# KiCad board handheld.kicad_pcb (continued)
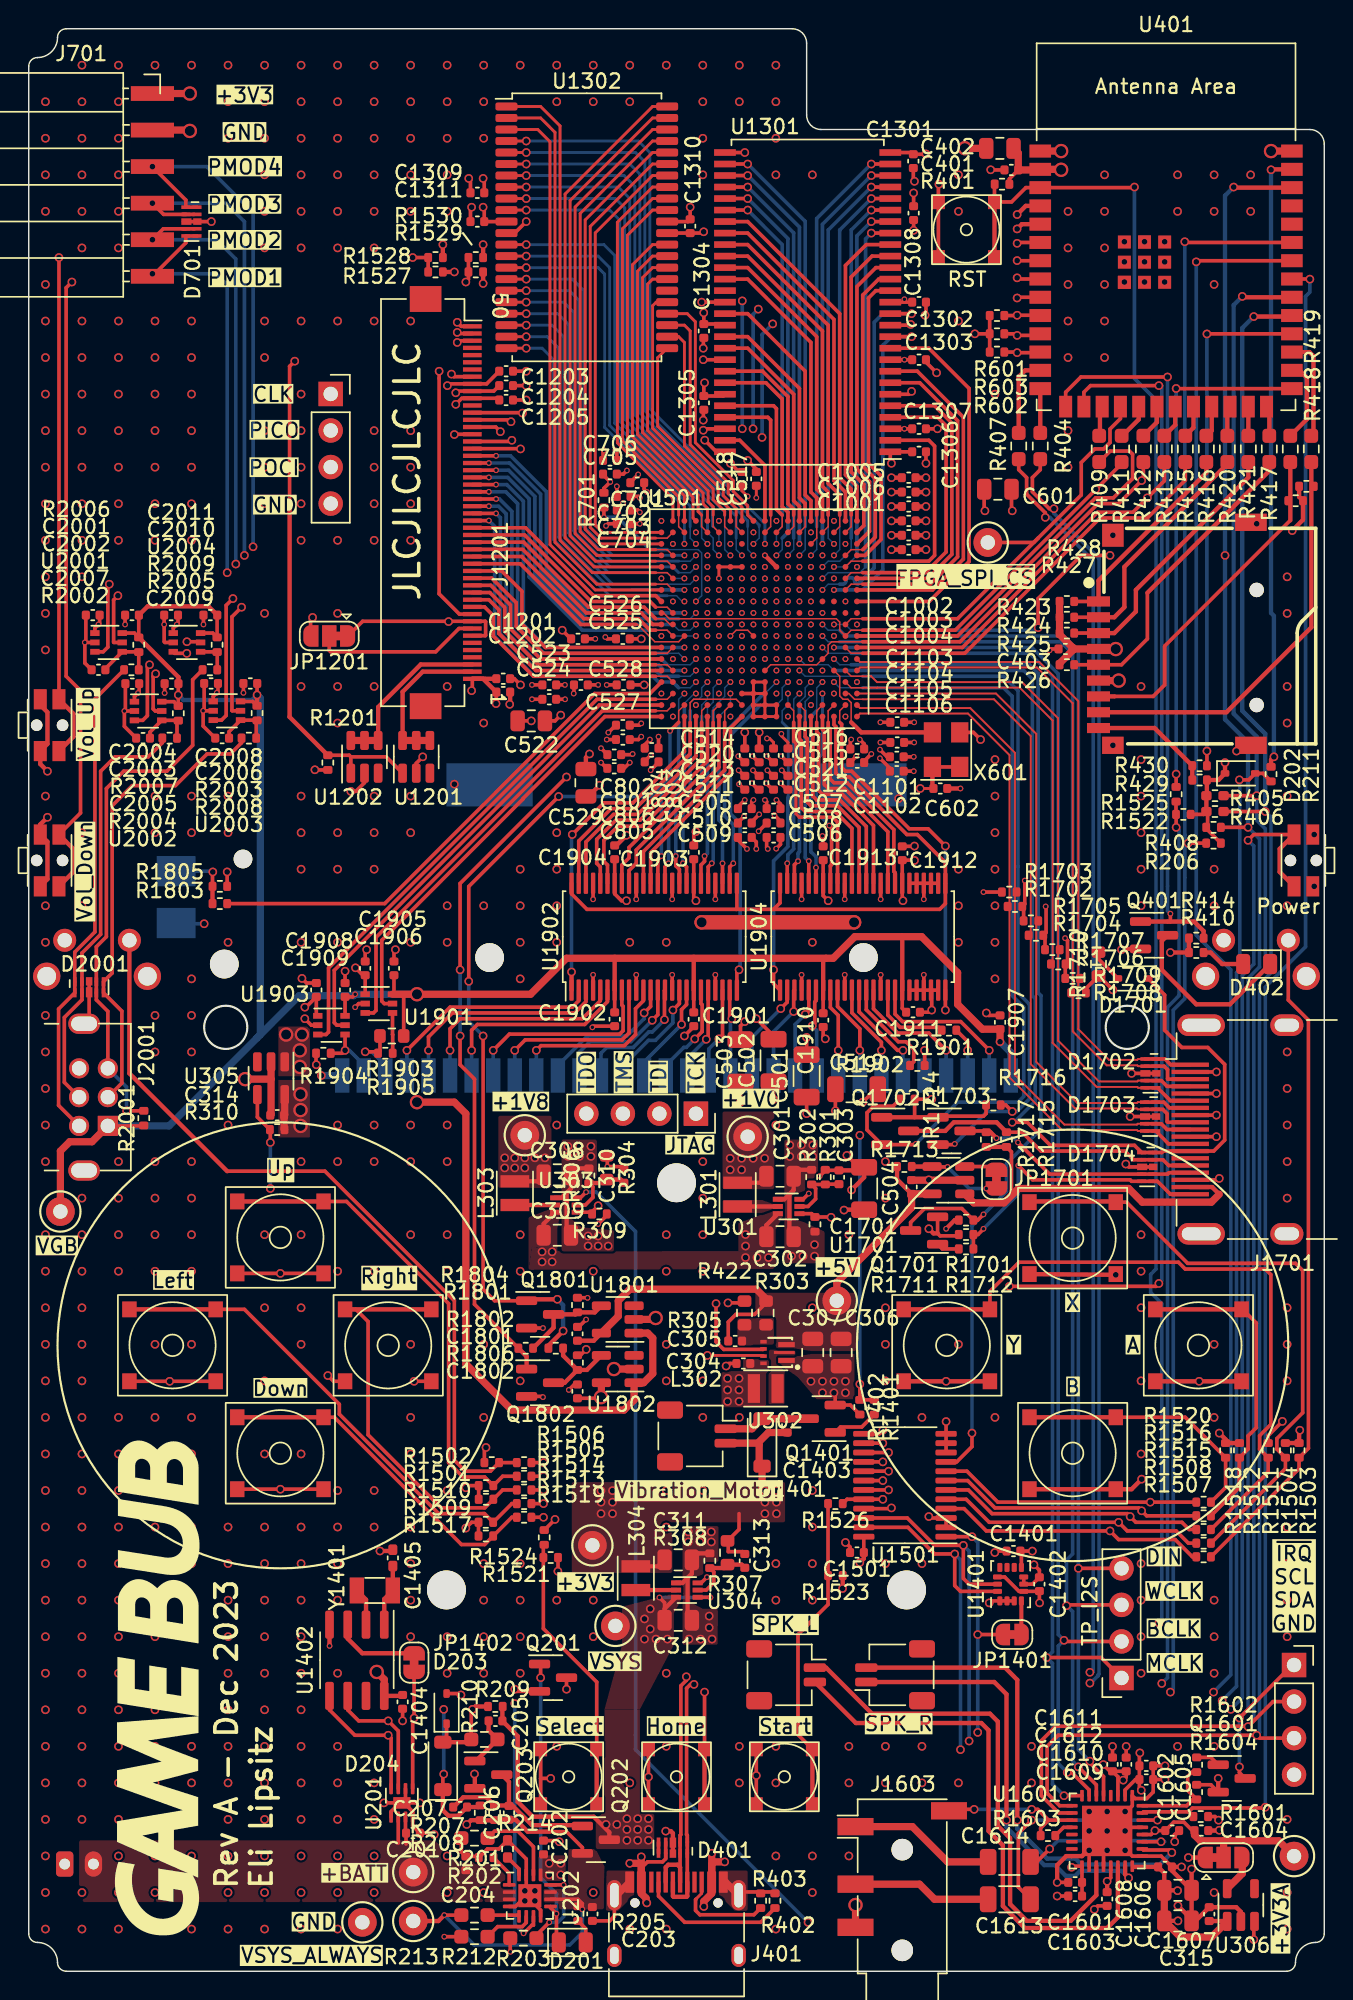
[diagram p0: board, top side]
## Routing (per net, layer and track width the routed paths; a pad name or vN(x,y) marks a point on that pad's centre or on a via; arc(x,y) is an arc through that point) (continued)
SDRAM_DQ2: length 21.2
  F.Cu (SIG) w0.25: U1301.5 63,108.8 64.2,107.6 64.2,98.47 62.53,96.8 U501.N1
SDRAM_DQ3: length 24
  F.Cu (SIG) w0.1: U501.M2 57.2,96.4 58,96.4
  F.Cu (SIG) w0.25: 58,96.4 62.7,96.4 64.6,98.3 64.6,107.77 61.97,110.4 U1301.7
SDRAM_DQ4: length 24.6
  F.Cu (SIG) w0.25: U1301.8 61.8,111.2 65,108 65,98.14 62.86,96 U501.M1
SDRAM_DQ5: length 27.6
  F.Cu (SIG) w0.25: U1301.10 62.6,112.8 65.4,110 65.4,97.97 62.63,95.2 U501.L1
SDRAM_DQ6: length 23.3
  F.Cu (SIG) w0.25: v2(61.4,113.6) U1301.11
  B.Cu (SIG) w0.25: v2(61.4,113.6) 60,113.6 59.4,113 59.4,97.4 58,96 v1(56,96)
SDRAM_DQ7: length 26.1
  F.Cu (SIG) w0.25: v2(61.4,115.2) U1301.13
  B.Cu (SIG) w0.1: 56.4,96.4 55.6,96.4 v1(55.2,96)
  B.Cu (SIG) w0.25: v2(61.4,115.2) 59.4,115.2 58.8,114.6 58.8,97.54 57.66,96.4 arc(57.5,96.47) 57.43,96.62 arc(57.37,96.78) 57.21,96.85 57.06,96.85 arc(56.9,96.78) 56.83,96.62 arc(56.77,96.47) 56.61,96.4 56.4,96.4
SDRAM_DQ8: length 17.8
  F.Cu (SIG) w0.25: U1301.42 50,115.2 54,111.2 54,102.6 54.4,102.2 U501.V5
SDRAM_DQ9: length 17
  F.Cu (SIG) w0.1: U501.U6 54,100.4 54,101.2
  F.Cu (SIG) w0.25: 54,101.2 54,102 53.6,102.4 53.6,110 50,113.6 U1301.44
SDRAM_DQ10: length 15.1
  F.Cu (SIG) w0.25: U501.V6 53.6,101.8 53.2,102.2 53.2,109.6 50,112.8 U1301.45
SDRAM_DQ11: length 14.9
  F.Cu (SIG) w0.1: U501.U7 53.2,100.4 53.2,101.2
  F.Cu (SIG) w0.25: 53.2,101.2 53.2,101.6 52.8,102 52.8,109.43 51.03,111.2 U1301.47
SDRAM_DQ12: length 13.1
  F.Cu (SIG) w0.25: U1301.48 51.27,110.4 52.4,109.27 52.4,101.8 52.8,101.4 U501.V7
SDRAM_DQ13: length 12.6
  F.Cu (SIG) w0.1: U501.U8 52.4,100.4 52.4,101.2
  F.Cu (SIG) w0.25: U1301.50 51.8,108.8 52,108.6 52,101.6 52.4,101.2
SDRAM_DQ14: length 11.2
  F.Cu (SIG) w0.1: 51.6,101.2 51.6,100.4 U501.U9
  F.Cu (SIG) w0.25: 51.6,101.2 51.6,107.8 51.4,108 U1301.51
SDRAM_DQ15: length 7.4
  F.Cu (SIG) w0.25: U1301.53 49.45,106.4 51.2,104.65 U501.V9
SDRAM_LDQM: length 21
  F.Cu (SIG) w0.25: U501.R1 58.17,98.4 59.28,99.51 59.28,103.92 58.4,104.8 58.4,116.28 58.91,116.8 U1301.15
SDRAM_UDQM: length 22.1
  F.Cu (SIG) w0.1: U501.T5 54.8,99.6 54.8,101.2
  F.Cu (SIG) w0.25: 54.8,101.2 54.8,102.4 54.4,102.8 54.4,113.2 50,117.6 U1301.39
SDRAM_~{CAS}: length 21.5
  F.Cu (SIG) w0.25: U501.T1 58.47,100.08 58.47,103.53 57.6,104.4 57.6,117.09 58.91,118.4 U1301.17
SDRAM_~{RAS}: length 21.6
  F.Cu (SIG) w0.25: U501.U1 58.07,100.47 58.07,103.33 57.2,104.2 57.2,117.75 58.65,119.2 U1301.18
SDRAM_~{WE}: length 22.2
  F.Cu (SIG) w0.1: 58,98.8 57.2,98.8 U501.R2
  F.Cu (SIG) w0.25: 58,98.8 58.88,99.67 58.88,103.72 58,104.6 58,116.49 59.11,117.6 U1301.16
SPI2_CLK: length 96.1
  F.Cu (SIG) w0.1: 58,92.4 55.83,92.4 55.6,92.17 55.6,91.6 U501.F4 54.8,90.8 51.6,90.8 U501.E9
  F.Cu (SIG) w0.25: v2(32.8,107) 32.48,107.32 J1201.36 ; R412.2 77.52,103.72 v2(77.4,103.6) 75.8,102 74.37,102 64.77,92.4 58,92.4
  In2.Cu (SIG) w0.25: J404.1 26.78,109.62 29,107.4 32.4,107.4 v2(32.8,107) 32.86,107 32.88,106.97 39.38,106.97 41.53,109.12 64.07,109.12 69.6,103.6 v2(77.4,103.6)
SPI2_D2: length 30
  F.Cu (SIG) w0.1: 58,91.6 57.2,91.6 U501.G2
  F.Cu (SIG) w0.25: 58,91.6 65.1,91.6 74.5,101 77.8,101 80.44,103.64 R415.2
SPI2_D3: length 28.1
  F.Cu (SIG) w0.25: U501.H1 64.6,92.8 74.2,102.4 75.43,102.4 76.77,103.74 76.77,105.43 76.55,105.65 75.21,105.65 R409.2
SPI2_PICO/D0: length 97.7
  F.Cu (SIG) w0.1: U501.K18 44.15,94.4 44.55,94 56.17,94 56.4,93.77 56.4,93.2 U501.H2 57.2,93.2 58,93.2
  F.Cu (SIG) w0.25: v2(33.6,106.4) 33.52,106.32 J1201.34 ; 76.01,104.78 64.43,93.2 58,93.2
  In2.Cu (SIG) w0.25: J404.2 21.81,106.28 33.47,106.28 v2(33.6,106.4) 39.4,106.4 41.72,108.72 63.88,108.72 69.6,103 v2(74.2,103)
SPI2_POCI/D1: length 91.7
  F.Cu (SIG) w0.25: v2(34.2,105.8) 34.18,105.82 J1201.33 ; U501.G1 64.93,92 74.33,101.4 76.8,101.4 v2(77.8,102.4) 78.98,103.58 R413.2
  In2.Cu (SIG) w0.25: J404.3 22.26,105.8 v2(34.2,105.8) 39.4,105.8 41.93,108.33 63.68,108.33 69.6,102.4 v2(77.8,102.4)
SRAM_A0: length 42
  F.Cu (SIG) w0.1: 43.6,97.2 44.4,97.2 U501.N17
  F.Cu (SIG) w0.2: U1302.1 35.6,129.6 36.95,128.25 36.95,99.45 39.2,97.2 43.6,97.2
SRAM_A1: length 41.9
  F.Cu (SIG) w0.1: 43.6,96.4 44.4,96.4 U501.M17
  F.Cu (SIG) w0.2: 43.6,96.4 39.51,96.4 36.6,99.31 36.6,127.8 35.6,128.8 U1302.2
SRAM_A2: length 40.4
  F.Cu (SIG) w0.2: U1302.3 35.4,128 36.25,127.15 36.25,99.15 39.4,96 U501.M18
SRAM_A3: length 40.8
  F.Cu (SIG) w0.2: v2(34.6,127.2) U1302.4
  B.Cu (SIG) w0.2: v2(34.6,127.2) 42.4,127.2 43.2,126.4 43.2,108.6 51.2,100.6 v1(51.2,99.2)
SRAM_A4: length 39.9
  F.Cu (SIG) w0.2: v2(34.6,126.4) U1302.5
  B.Cu (SIG) w0.1: v1(50.4,99.2) 50.8,99.6 50.8,100.4
  B.Cu (SIG) w0.2: v2(34.6,126.4) 42.2,126.4 42.85,125.75 42.85,108.46 50.8,100.51 50.8,100.4
SRAM_A5: length 30
  F.Cu (SIG) w0.2: v2(34.6,116) U1302.18
  B.Cu (SIG) w0.1: 45.2,97.2 46,97.2 v1(46.4,97.6)
  B.Cu (SIG) w0.2: 45.2,97.2 44.8,97.6 40.4,97.6 37.9,100.1 37.9,115.3 37.2,116 v2(34.6,116)
SRAM_A6: length 28.5
  F.Cu (SIG) w0.2: v2(34.6,115.2) U1302.19
  B.Cu (SIG) w0.1: 43.6,97.2 44.4,97.2 44.8,96.8 v1(45.6,96.8)
  B.Cu (SIG) w0.2: 43.6,97.2 40.31,97.2 37.55,99.96 37.55,114.45 36.8,115.2 v2(34.6,115.2)
SRAM_A7: length 28.9
  F.Cu (SIG) w0.2: v2(34.6,114.4) U1302.20
  B.Cu (SIG) w0.1: 43.6,96.4 46,96.4 v1(46.4,96.8)
  B.Cu (SIG) w0.2: v2(34.6,114.4) 36.4,114.4 37.2,113.6 37.2,99.8 40.6,96.4 43.6,96.4
SRAM_A8: length 27.4
  F.Cu (SIG) w0.2: v2(34.6,113.6) U1302.21
  B.Cu (SIG) w0.2: v2(34.6,113.6) 36.05,113.6 36.85,112.8 36.85,99.66 40.51,96 42,96
  B.Cu (SIG) w0.25: v1(45.6,96) 42,96
SRAM_A9: length 27
  F.Cu (SIG) w0.2: v2(34.6,112.8) U1302.22
  B.Cu (SIG) w0.1: v1(45.6,95.2) 45.45,95.2 45.05,95.6 44.4,95.6
  B.Cu (SIG) w0.2: v2(34.6,112.8) 35.7,112.8 36.5,112 36.5,99.5 40.4,95.6 44.4,95.6
SRAM_A10: length 14.4
  F.Cu (SIG) w0.2: U1302.23 43.74,112.14 43.74,107.38 47.95,103.17 47.95,102.42 48.8,101.57 U501.V12
SRAM_A11: length 16.2
  F.Cu (SIG) w0.1: U501.U11 49.2,100.4 49.2,101.2
  F.Cu (SIG) w0.2: U1302.24 45.2,113.6 45.6,113.2 45.6,106.01 48.3,103.31 48.3,102.56 49.2,101.66 49.2,101.2
SRAM_A12: length 16.5
  F.Cu (SIG) w0.2: U1302.25 45.6,114.4 46,114 46,106.11 48.65,103.46 48.65,102.71 49.6,101.76 U501.V11
SRAM_A13: length 17.7
  F.Cu (SIG) w0.2: U1302.26 45.8,115.2 46.36,114.64 46.36,106.24 49,103.6 49,102.85 50,101.85 50,101.2 U501.V10
SRAM_A14: length 19.1
  F.Cu (SIG) w0.1: 48.4,101.2 48.4,100.4 U501.U12
  F.Cu (SIG) w0.2: U1302.27 43.64,116 43.39,115.75 43.39,107.23 47.6,103.02 47.6,102.27 48.4,101.47 48.4,101.2
SRAM_A15: length 38
  F.Cu (SIG) w0.2: U501.R18 39.51,98.4 38,99.91 38,122.61 43.39,128 U1302.42
SRAM_A16: length 40.5
  F.Cu (SIG) w0.1: U501.P17 44.4,98 43.6,98
  F.Cu (SIG) w0.2: 43.6,98 39.41,98 37.65,99.76 37.65,123.06 43.39,128.8 U1302.43
SRAM_A17: length 41.1
  F.Cu (SIG) w0.2: U501.P18 39.32,97.6 37.3,99.62 37.3,123.51 43.39,129.6 U1302.44
SRAM_IO0: length 38
  F.Cu (SIG) w0.2: v2(34.6,124.8) U1302.7
  B.Cu (SIG) w0.1: v1(49.6,98.4) 49.2,98.8 49.2,99.6
  B.Cu (SIG) w0.2: v2(34.6,124.8) 41.4,124.8 42.15,124.05 42.15,108.17 49.2,101.12 49.2,99.6
SRAM_IO1: length 36.6
  F.Cu (SIG) w0.2: v2(34.6,124) U1302.8
  B.Cu (SIG) w0.1: 48.4,101.2 48.4,98.8 v1(48.8,98.4)
  B.Cu (SIG) w0.2: 48.4,101.2 48.4,101.42 41.8,108.02 41.8,123.2 41,124 v2(34.6,124)
SRAM_IO2: length 34.6
  F.Cu (SIG) w0.2: v2(34.6,123.2) U1302.9
  B.Cu (SIG) w0.1: 47.6,100.4 48,100 v1(48,99.2)
  B.Cu (SIG) w0.2: v2(34.6,123.2) 40.8,123.2 41.45,122.55 41.45,107.88 47.55,101.78 47.55,100.45 47.6,100.4
SRAM_IO3: length 34.3
  F.Cu (SIG) w0.2: v2(34.6,122.4) U1302.10
  B.Cu (SIG) w0.1: 47.2,100 47.6,99.6 47.6,98.8 v1(48,98.4)
  B.Cu (SIG) w0.2: 47.2,100 47.2,101.63 41.1,107.73 41.1,121.7 40.4,122.4 v2(34.6,122.4)
SRAM_IO4: length 30.6
  F.Cu (SIG) w0.2: v2(34.6,120) U1302.13
  B.Cu (SIG) w0.1: 46.8,100.4 46.8,99.6 v1(47.2,99.2)
  B.Cu (SIG) w0.2: 46.8,100.4 46.8,101.54 40.75,107.59 40.75,119.25 40,120 v2(34.6,120)
SRAM_IO5: length 29.2
  F.Cu (SIG) w0.2: v2(34.6,119.2) U1302.14
  B.Cu (SIG) w0.1: v1(46.4,99.2) 46,99.6 46,100.4
  B.Cu (SIG) w0.2: 46,100.4 46,101.84 40.4,107.44 40.4,118.4 39.6,119.2 v2(34.6,119.2)
SRAM_IO6: length 28.1
  F.Cu (SIG) w0.2: v2(34.6,118.4) U1302.15
  B.Cu (SIG) w0.2: v1(45.6,99.2) 45.6,101.75 40.05,107.3 40.05,117.95 39.6,118.4 v2(34.6,118.4)
SRAM_IO7: length 29.9
  F.Cu (SIG) w0.2: v2(34.6,117.6) U1302.16
  B.Cu (SIG) w0.2: v1(45.6,98.4) 40.6,98.4 38.6,100.4 38.6,116.8 37.8,117.6 v2(34.6,117.6)
SRAM_IO8: length 20.8
  F.Cu (SIG) w0.1: U501.U13 47.6,100.4 47.6,101.2
  F.Cu (SIG) w0.2: U1302.29 43.39,117.6 43.04,117.25 43.04,107.09 47.25,102.88 47.25,102.13 47.6,101.78 47.6,101.2
SRAM_IO9: length 20.8
  F.Cu (SIG) w0.2: U1302.30 43.39,118.4 42.69,117.7 42.69,106.94 46.9,102.73 46.9,101.98 47.2,101.68 U501.V14
SRAM_IO10: length 22.7
  F.Cu (SIG) w0.1: 46.8,101.2 46.8,100.4 U501.U14
  F.Cu (SIG) w0.2: U1302.31 43.39,119.2 42.34,118.15 42.34,106.8 46.55,102.59 46.55,101.45 46.8,101.2
SRAM_IO11: length 22.6
  F.Cu (SIG) w0.2: U501.V15 46.2,101 46.2,102.44 41.99,106.65 41.99,118.6 43.39,120 U1302.32
SRAM_IO12: length 25
  F.Cu (SIG) w0.2: U1302.35 43.39,122.4 41.64,120.65 41.64,106.51 45.6,102.55 U501.V16
SRAM_IO13: length 26.9
  F.Cu (SIG) w0.1: 45.2,101.2 45.2,100.4 U501.U16
  F.Cu (SIG) w0.2: 45.2,101.2 45.2,102.45 41.29,106.36 41.29,121.1 43.39,123.2 U1302.36
SRAM_IO14: length 26.8
  F.Cu (SIG) w0.2: U501.V17 44.8,102.36 40.94,106.22 40.94,121.55 43.39,124 U1302.37
SRAM_IO15: length 31.8
  F.Cu (SIG) w0.2: U501.U18 39.9,100 39.4,100.5 39.4,120.81 43.39,124.8 U1302.38
SRAM_~{CE}: length 39.3
  F.Cu (SIG) w0.2: v2(34.6,125.6) U1302.6
  B.Cu (SIG) w0.1: v1(50.4,98.4) 50,98.8 50,100.4
  B.Cu (SIG) w0.2: v2(34.6,125.6) 41.8,125.6 42.5,124.9 42.5,108.31 50,100.81 50,100.4
SRAM_~{LB}: length 34.3
  F.Cu (SIG) w0.1: U501.U17 44.4,99.6 43.6,99.6
  F.Cu (SIG) w0.2: U1302.39 43.39,125.6 39.05,121.26 39.05,100.35 39.8,99.6 43.6,99.6
SRAM_~{OE}: length 37.4
  F.Cu (SIG) w0.1: 43.6,98.8 44.4,98.8 U501.R17
  F.Cu (SIG) w0.2: U1302.41 43.39,127.2 38.35,122.16 38.35,100.05 39.6,98.8 43.6,98.8
SRAM_~{UB}: length 34.9
  F.Cu (SIG) w0.2: U501.T18 39.71,99.2 38.7,100.21 38.7,121.71 43.39,126.4 U1302.40
SRAM_~{WE}: length 30.4
  F.Cu (SIG) w0.2: v2(34.6,116.8) U1302.17
  B.Cu (SIG) w0.1: 45.2,98 46,98 v1(46.4,98.4)
  B.Cu (SIG) w0.2: v2(34.6,116.8) 37.6,116.8 38.25,116.15 38.25,100.26 40.51,98 45.2,98
SW_Cartridge: length 36.6
  F.Cu (SIG) w0.25: U501.D18 43.2,88.8 39.36,88.8 24.76,74.2 R1803.1
VGB: length 211.1
  F.Cu (SIG) w0.25: v2(15.88,88.7) 15.88,89.49 ; U2001.6 7.35,93 R2006.1 7.65,94.24 ; 40.75,66.74 40.75,68.25 ; 13.1,94.24 R2009.1 12.8,93 U2004.6 ; U1904.18 60.75,66.92 C1911.2 ; C1905.2 25.4,68 U1901.6 25.88,67.9 26.08,67.7 R1903.1 ; 10.4,89.47 v2(10.4,88.7) R2007.1 10.1,88.23 U2002.6 ; C1901.2 46.25,68.25 ; R2008.1 15.58,88.25 U2003.6 ; v1(22.7,67.9) 22.52,67.72 C1908.2 U1903.6 ; J2001.1 7.97,58.75 ; C1910.2 U1904.7
  F.Cu (SIG) w0.3: C2003.2 10.41,89.94 R2006.1 ; 55.45,70.4 55.25,70.2 U1904.7 ; U1904.18 60.75,72 ; U1902.7 40.75,70.4 ; C2001.2 8.27,94.86 12.5,94.86 C2010.2 ; R2008.1 v2(15.88,88.7) ; U1902.18 46.25,70.4
  F.Cu (SIG) w0.5: U1801.1 43.05,44.35 43.4,44 43.4,41.54 42.76,40.9 U1802.1 42.1,39.7 41.4,39 33.6,39 30.4,42.2 30.4,59.6 29.6,60.4 v3(27,60.4) ; v2(67.55,64.6) C1907.2 66.33,65.47 64.6,67.2 64.6,69.4 62.1,71.9 57.45,71.9 55.95,70.4 37.4,70.4 34.9,67.9 U1901.6 ; TP1801.1 2.2,57 2.85,57.65 4.4,57.65 J2001.1
  In2.Cu (SIG) w0.5: v3(27,67.9) v3(27,60.4)
  B.Cu (SIG) w0.3: v2(10.4,88.7) 10.75,88.35 15.53,88.35 v2(15.88,88.7)
  B.Cu (SIG) w0.5: 15.86,64.84 16.11,65.09 16.11,88.47 v2(15.88,88.7) ; 15.86,64.84 18.81,67.8 22.6,67.8 v1(22.7,67.9) 26.8,67.9 ; 15.86,64.84 9.76,58.75 J2001.1 ; J1901.1 68.3,63.85 v2(67.55,64.6)
VIBRATE_EN: length 54.1
  F.Cu (SIG) w0.25: R1401.1 R1402.1 v2(57.8,40.8)
  In2.Cu (SIG) w0.1: v1(52.8,90.4) 52.4,90 52.4,86.8
  In2.Cu (SIG) w0.25: 52.4,86.8 56.2,83 56.2,65.8 57,65 57,60.2 57.8,59.4 v2(57.8,58.1)
  B.Cu (SIG) w0.25: v2(57.8,40.8) v2(57.8,58.1)
VSYS: length 89.7
  F.Cu (SIG) w0.25: U304.4 47.4,25.99 v1(47.41,25.97) ; v2(75,6.25) 75.25,6.5 U1601.21 ; 44.22,25.19 44.22,25.62 v1(43.86,25.97) ; 40.2,52.53 v1(39.6,51.93)
  F.Cu (SIG) w0.3: 76.8,7.25 78.54,7.25 78.97,6.82 C1605.1 79.88,5.62 v2(79.9,5.6) ; Q202.3 40.38,9.65 39.29,10.74 35.05,10.74 34.01,11.78 34.01,16.33 C205.1 32.94,18.38 R209.1 ; U303.3 35.81,51.95 C309.1 ; U304.3 44.22,25.19 C312.1 ; C1607.1 v2(79.93,3.5) ; C302.1 51.3,51.85 U301.3 ; C1608.2 v2(75,6.25) ; C315.1 83.32,3.49
  F.Cu (SIG) w0.5: C1605.1 C1607.1 80.1,2.38 82.26,2.38 U306.1
  In2.Cu (SIG) w0.25: v1(39.6,51.93) 38.33,51.93 v2(36.4,50)
  In3.Cu (PWR) w0.5: v2(79.93,3.5) 80.57,4.15 80.57,4.93 v2(79.9,5.6) 79.66,5.84 75.41,5.84 v2(75,6.25) 73.32,4.57 62.43,4.57 56.4,10.6 v2(43.1,10.6)
  B.Cu (SIG) w0.25: v1(47.41,25.97) v1(43.86,25.97)
  vias: v2(35.7,50) v2(35.7,49.3) v2(36.4,49.3) v2(40.15,10.2) v2(40.9,10.2) v2(41.6,10.6) v2(41.6,9.85) v2(41.6,9.1) v2(42.35,10.6) v2(42.35,9.85) v2(42.35,9.1) v2(42.82,24.48) v2(42.82,23.08) v2(43.1,9.85) v2(43.1,9.1) v2(43.22,25.18) v2(43.22,23.78) v2(43.62,23.08) v2(44.42,23.08) v2(48.6,41.2) v2(48.6,40.4) v2(48.6,39.6) v2(49.4,41.2) v2(49.4,40.4) v2(49.4,39.6) v2(49.85,51.2) v2(49.85,50.4) v2(49.85,49.6) v2(50.65,49.6) v2(51.45,49.6)
VSYS_ALWAYS: length 44.5
  F.Cu (SIG) w0.25: R213.1 v1(28.9,3.9) ; 36.2,9.7 37.4,9.7 38.5,8.6 Q202.2 ; U202.10 38.2,5 38.5,4.7 v1(38.5,4.3)
  F.Cu (SIG) w0.3: 36.2,9.7 34.7,9.7 33.87,10.53 C206.1 ; v2(30.46,10.2) 30.76,10.5 R207.1 ; TP202.1 28.49,3.49 v1(28.9,3.9) ; 31.4,10.49 32.39,10.49 ; C1404.2 25.94,19.14 U1402.8 ; 32.45,10.55 33.4,10.55
  F.Cu (SIG) w0.5: U1402.8 24.73,20.27 v3(24.2,20.8)
  In3.Cu (PWR) w0.5: v3(24.2,20.8) 24.2,16.21 29.96,10.45 30.21,10.45 v2(30.46,10.2)
  B.Cu (SIG) w0.25: v1(28.9,3.9) 30.97,1.82 37.62,1.82 38.5,2.7 v1(38.5,4.3)
~{POWER_SW}: length 43.1
  F.Cu (SIG) w0.3: v2(86.6,84.4) 86.4,84.2 R211.2 ; v2(86.4,125.2) 86.43,125.23 U401.39
  B.Cu (SIG) w0.3: v2(86.4,125.2) 86.4,94.4 86.6,94.2 v2(86.6,84.4)
~{VBUS_PGOOD}: length 174.4
  F.Cu (SIG) w0.25: U401.34 81.28,118.88 v2(81.2,118.8) ; v1(34.41,2.63) 34.43,2.63 34.99,3.2 35.1,3.2 U202.7
  In2.Cu (SIG) w0.25: v2(82.4,19.4) 81.4,18.4 34.5,18.4 34.3,18.6 v2(33.8,18.6)
  B.Cu (SIG) w0.25: v2(33.8,18.6) 33.8,3.25 v1(34.41,2.63) ; v2(82.4,19.4) 83.6,20.6 83.6,69.6 81.2,72 v2(81.2,118.8)
unconnected-(D401-K4-Pad5): length 0.8
  F.Cu (SIG) w0.25: D401.5 D401.6

## Copper pours and planes (outline as drawn; the poured copper is in the pictures)
+1V0 on F.Cu (SIG): 48.25,54.35 51.85,54.35 51.85,59.75 48.25,59.75
+1V0 on In3.Cu (PWR): 52.4,87.6 53.2,88.4 53.2,90 54.03,90.8 54.03,96.4 52.35,98 51,98 51,104 49.2,104 49.2,87.7 47.6,84.1 47.6,77.4 48,53.7 57.8,53.7 54.8,77.4 53.7,84.1
+1V8 on F.Cu (SIG): 32.66,54.45 36.36,54.45 36.36,59.45 32.66,59.45
+1V8 on In3.Cu (PWR): 42.1,55.4 42.1,58.7 37,58.7 37,71 39.4,78.4 39.4,87.2 45.6,89.8 48,89 49.2,88.95 49.2,96.65 47.6,96.65 47.6,94.26 47,93.8 46.85,91.85 46,91.85 43.55,92.8 36.8,92.85 32.2,85.7 32.2,55.4
+1V8 on In3.Cu (PWR): 49.2,95 48.4,95 48.4,90.8 49.2,90.8
+3V3 on F.Cu (SIG): 37.77,27.69 44.77,27.69 44.77,31.2 52.6,31.2 52.6,34 37.77,33.99
+3V3 on F.Cu (SIG): 17.35,61.95 17.35,57.95 19.55,57.95 19.55,61.95
+3V3 on In3.Cu (PWR): 65.5,136.25 69,113 69.75,96.75 71.75,85.5 77.6,69 65.2,42.6 94,42.6 93.8,64.8 93.5,136.25
+3V3 on In3.Cu (PWR): 32.5,86.7 32.5,40 11.2,40 11.05,61.8 23,61.8 23.1,86.7
+3V3 on In3.Cu (PWR): -1.55,43 94,43 94,24.75 -1.55,24.75
+3V3 on In3.Cu (PWR): 23.4,118.8 35,118.7 35,94.4 36.8,92.85 32.2,85.7 23.05,85.65
+3V3_FPGA on F.Cu (SIG): 17.35,65.65 17.35,62.2 19.55,62.2 19.55,65.65
+3V3_FPGA on In3.Cu (PWR): -2.6,62 95.8,62 95.8,139 -2.6,139
+3V3_FPGA on In3.Cu (PWR): 58.2,49.4 71,49.4 74.6,62.8 56.2,62.8
+3V3_FPGA on In3.Cu (PWR): 42.3,102.5 59.3,102.5 59.3,85.5 42.3,85.5
+5V on F.Cu (SIG): 57.53,43.1 54.43,43.1 53.18,43.3 52,43.3 51.43,45 50.53,46 50.53,47.15 57.53,47.15
GND on F.Cu (SIG): 52.08,42.7 52.08,42.25 53.48,41.3 54.8,39.75 57.43,39.75 57.43,42.9 54.43,42.9 53.18,42.7
GND on F.Cu (SIG): 45.47,22.69 45.47,26.79 44.67,26.79 44.67,27.19 45.47,27.19 45.47,30.94 47.97,30.94 47.97,28.44 46.92,28.44 46.92,27.59 46.02,27.29 46.02,25.64 46.87,25.19 47.92,25.18 47.92,22.69
GND on F.Cu (SIG): 52.55,53.45 51.75,53.45 51.75,53.85 52.55,53.85 52.55,57.8 54.9,57.8 54.9,55.1 54,55.1 54,54.25 53.1,53.95 53.1,52.3 53.95,52.05 55.35,51.4 55.35,49.2 52.55,49.2
GND on F.Cu (SIG): 42.1,7 42.1,5.3 41,4.2 40.1,4.2 40.1,7
GND on F.Cu (SIG): 48,7 48,5.3 49.1,4.2 50,4.2 50,7
GND on F.Cu (SIG): 37.06,50.03 37.06,53.55 36.26,53.55 36.26,53.95 37.06,53.95 37.06,57.8 39.51,57.8 39.51,55.2 38.51,55.2 38.51,54.35 37.61,54.05 37.61,52.4 38.46,51.7 40.7,51.5 40.7,50.03
GND on In1.Cu (GND): 0,135 90.1,135 90.2,-0.2 0,0
GND on In4.Cu (GND): -0.2,134.8 90.1,135 90.2,0 0,0
VBUS on F.Cu (SIG): 35.45,8.05 35.45,6.25 37.55,6.25 37.55,8.05
VBUS on In3.Cu (PWR): 35.45,6.25 41.5,3.95 50.55,3.95 50.55,9.85 35.45,9.85
+BATT on F.Cu (SIG): 3.5,9.1 28.2,9.1 29.9,7.6 32.8,7.6 34,6.2 34,4.8 3.5,4.8
/Power Regulators/Boost_5V_FB on F.Cu (SIG): 51.83,45.4 51.83,43.55 50.45,43.55 50.05,43.45 49.28,43.45 49.28,45.4
/Power Regulators/Boost_5V_SW on F.Cu (SIG): 53.33,43.2 53.33,42.8 52.08,42.8 52.08,42.2 52.58,41.7 52.58,39.4 51.45,39.4 51.45,41.7 51.48,42.2 51.48,43.2
/Power Regulators/Buck_1V0_SW on F.Cu (SIG): 32.76,52.8 35.51,52.8 36.21,53.05 36.96,53.05 36.96,53.45 36.21,53.45 35.51,53.7 32.76,53.7
/Power Regulators/Buck_1V0_SW on F.Cu (SIG): 41.17,26.04 43.92,26.04 44.62,26.29 45.37,26.29 45.37,26.69 44.62,26.69 43.92,26.94 41.17,26.94
/Power Regulators/Buck_1V0_SW on F.Cu (SIG): 48.25,52.7 51,52.7 51.7,52.95 52.45,52.95 52.45,53.35 51.7,53.35 51,53.6 48.25,53.6
VSYS on F.Cu (SIG): 34.76,48.75 51.8,48.8 51.95,49.15 52,50.05 37.06,50.03 35,50.35
VSYS on F.Cu (SIG): 45.37,26.19 45.37,25.79 44.87,24.89 44.87,22.69 42.5,18.19 40.04,18.19 41.27,22.69 41.27,25.34 44.62,26.19
VSYS on F.Cu (SIG): 39.44,8.49 39.44,10.59 40.04,11.09 40.04,18.19 42.5,18.19 42.5,10.95 43.5,10.95 43.5,8.5 42.54,8.49
VSYS on F.Cu (SIG): 36.96,52.95 36.96,52.55 36.76,51.65 36.76,48.75 34.76,48.75 34.76,52.4 36.21,52.95
VSYS on F.Cu (SIG): 51.48,42.7 49.68,42.7 49.68,41.7 48.18,41.7 48.18,39.2 51.28,39.2 51.28,41.55 51.48,41.75
VSYS on F.Cu (SIG): 52.45,52.85 52.45,52.45 51.95,51.55 51.95,49.15 49.35,49.15 49.35,52 51.7,52.85
VSYS on In3.Cu (PWR): 47.8,47.8 34.7,47.8 34.7,51.8 52,51.8 52,39 47.8,39
VSYS on In3.Cu (PWR): 43.8,8.4 43.8,11.2 45.4,23.4 48.8,23.4 48.8,26.8 38.8,26.8 38.8,8.4
VSYS on In3.Cu (PWR): 48.8,26.8 49,34.6 52,37.58 52,39 47.8,39 38.8,26.8
VSYS_ALWAYS on F.Cu (SIG): 35.7,4.3 40,4.3 40,5.9 40.04,7.29 39.44,8.49 37.54,8.49 37.5,7.09 37.5,5.9 35.7,5.9

## Text on the board
User.Comments: Top shell holes only need to fit the screw / (M2.5) -- no shell material. | Zoom 1.21 is 1:1
User.Drawings: Speaker
F.Silkscreen: PICO | POCI | CLK | GND | RST | DIN | WCLK | BCLK | MCLK | +3V3 | PMOD4 | PMOD3 | PMOD2 | PMOD1 | ~{IRQ} / SCL / SDA / GND | TDO | TMS | TDI | TCK | Rev A - Dec 2023 / Eli Lipsitz | JLCJLCJLCJLC
